# Altium PCB GameBoard_V1I1.PcbDoc (part 9 of 22)
Units mil, origin at the board's own origin, x right, y up, seen from the top; angles counter-clockwise.
Board outline 7165.35 x 2814.96 mil, 12 copper layers (L1, L2, L3, L4, L5 (PWR), L6 (PWR), L7 (PWR), L8 (PWR), L9, L10, L11, L12), stack 61.575 mil thick; 1551 components, 1072 nets, 5467 pads, 3785 vias.
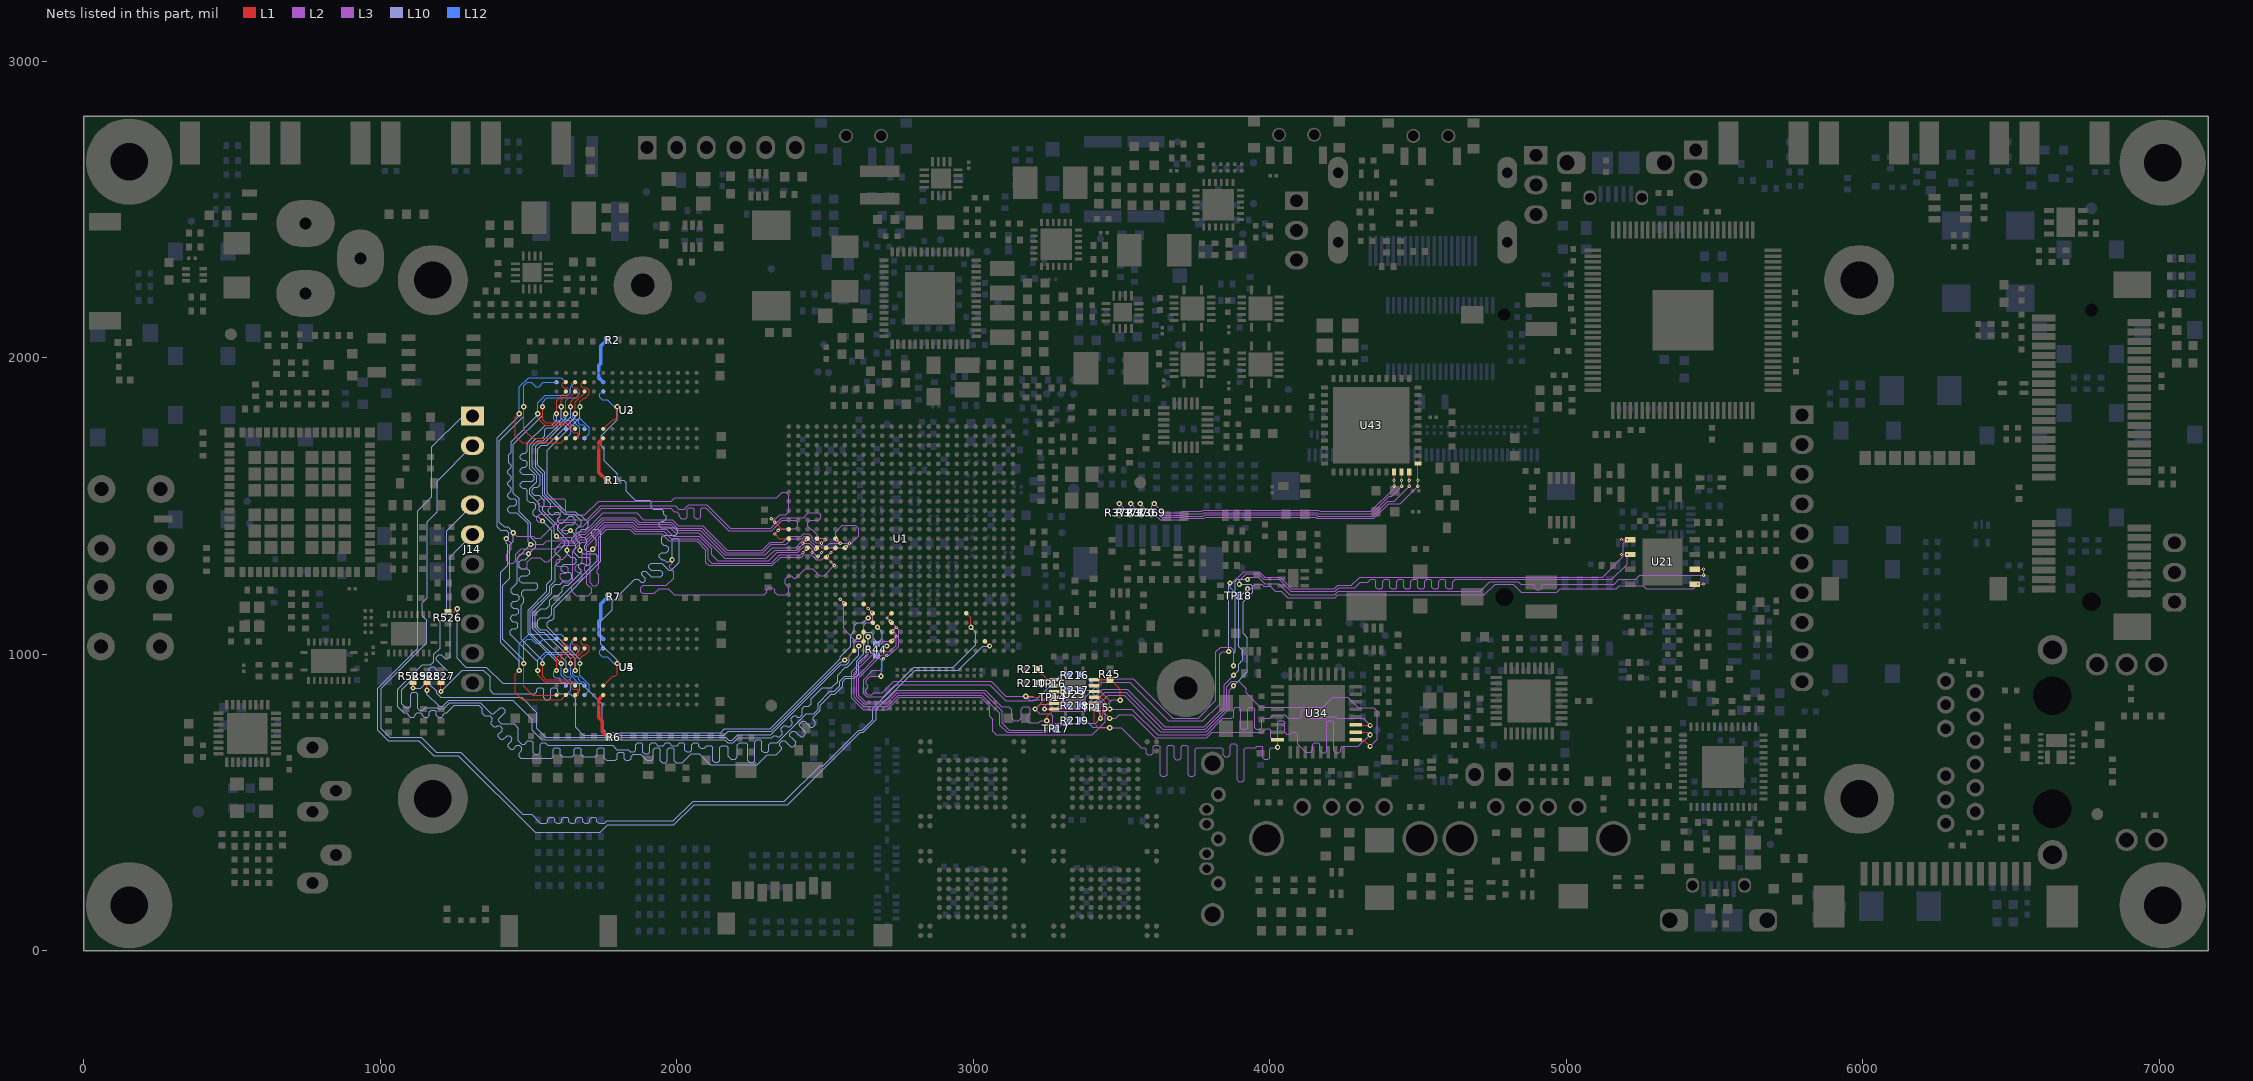
[diagram p19: the nets of this part, all layers, seen from the top]

## Via types
v1: diameter 17.72, hole 7.87, L1 to L12, 1935 vias
v2: diameter 17.72, hole 7.87, L1 to L12, tented both sides, 995 vias
v3: diameter 10.63, hole 3.94, L1 to L2, 334 vias
v4: diameter 11.81, hole 3.94, L2 to L3, 334 vias
v5: diameter 10.63, hole 3.94, L11 to L12, 94 vias
v6: diameter 11.81, hole 3.94, L10 to L11, 93 vias

## Nets (pads, with @x,y where several pads share a name; then routed paths per layer and width w, separated by ;. In a path a pad name is that pad's centre, name@x,y a point inside that pad or via, vN(x,y) a via of type N, cw(c..) or ccw(c..) an arc to the next point about the centre after c; other vN are vias at no path point) (continued)
CSPI1_CS0: J14.4 U1.U20 | length 3704.8
  L1 w3.15: U1.U20@2629.92,1169.29 v3(2645.67,1153.54)
  L3 w3.15: v2(2645.67,1059.06) 2630.91,1073.82 2630.91,1096.67 2639.55,1105.31 2652.56,1105.31 2661.42,1114.17 2661.42,1137.8 v4(2657.48,1141.73)
  L10 w3.15: J14.4@1311.02,1503.15 1224.73,1416.86 1224.73,1134.18 1201.77,1111.22 1201.77,1020.67 1181.1,1000 1181.1,975.18 1170.49,964.57 1141.73,964.57 1059.06,881.89 1059.06,822.83 1078.74,803.15 1088.58,803.15 1094.49,797.24 1094.49,793.31 1100.39,787.4 1112.2,787.4 1118.11,793.31 1118.11,797.24 1124.02,803.15 1135.83,803.15 1141.73,797.24 1141.73,793.31 1147.64,787.4 1159.45,787.4 1165.35,793.31 1165.35,805.12 1171.26,811.02 1183.07,811.02 1188.98,805.12 1188.98,793.31 1194.88,787.4 1206.69,787.4 1212.6,793.31 1212.6,797.24 1218.5,803.15 1224.41,803.15 1249.58,828.32 1332.05,828.32 1344.17,816.2 1344.17,800.82 1352.52,792.47 1360.88,792.47 1368.95,792.47 1377.44,783.98 1377.44,775.63 1374.13,772.32 1374.13,763.97 1382.48,755.62 1390.84,755.62 1394.14,758.92 1402.49,758.92 1410.85,750.57 1410.85,742.22 1398.34,729.71 1398.34,721.36 1406.69,713.01 1415.04,713.01 1427.55,725.52 1435.9,725.52 1444.25,717.16 1444.25,708.81 1431.74,696.3 1431.74,687.95 1440.1,679.6 1448.45,679.6 1460.96,692.11 1469.31,692.11 1477.66,683.76 1477.66,675.41 1468.56,666.31 1468.56,654.68 1473.64,649.6 1577.75,649.6 1582.68,654.53 1582.68,679.14 1588.58,685.04 1600.39,685.04 1606.3,679.14 1606.3,661.42 1613.19,654.53 1647.64,654.53 1653.54,660.43 1653.54,679.14 1659.45,685.04 1671.26,685.04 1677.17,679.14 1677.17,661.42 1684.05,654.53 1726.38,654.53 1732.28,660.43 1732.28,679.14 1738.19,685.04 1750,685.04 1755.91,679.14 1755.91,649.61 1763.78,641.73 1793.31,641.73 1799.21,647.64 1799.21,664.37 1804.13,669.29 1817.92,669.29 1822.83,664.37 1822.83,647.64 1828.74,641.73 1840.55,641.73 1846.46,647.64 1846.46,655.51 1853.35,662.4 1878.16,662.4 1898.83,641.73 1914.84,641.73 1920.74,647.64 1920.74,678.15 1926.65,684.06 1938.46,684.06 1944.36,678.15 1944.36,639.76 1950.27,633.86 1962.08,633.86 1967.99,639.76 1967.99,678.15 1973.89,684.06 1985.7,684.06 1991.61,678.15 1991.61,639.76 1997.51,633.86 2019.17,633.86 2049.68,664.37 2075.79,664.37 2113.19,626.97 2271.96,626.97 2306,661 2334.75,661 2351.82,678.07 2351.82,686.42 2347.76,690.48 2347.76,698.83 2356.11,707.19 2364.47,707.19 2372.7,698.95 2384.09,687.56 2392.44,687.56 2400.79,695.91 2400.79,704.26 2389.4,715.66 2381.17,723.89 2381.17,732.24 2389.52,740.59 2397.87,740.59 2406.11,732.36 2417.5,720.97 2425.85,720.97 2434.2,729.32 2434.2,737.67 2422.81,749.06 2414.58,757.3 2414.58,765.65 2422.93,774 2431.28,774 2439.51,765.77 2450.9,754.37 2459.26,754.37 2467.61,762.72 2467.61,771.08 2460.39,778.29 2460.39,786.64 2484.25,810.51 2484.25,827.97 2521.44,865.16 2532.9,865.16 2560.04,892.29 2560.04,907.69 2570.66,918.31 2598.73,918.31 2614.17,933.75 2614.17,972.44 2645.67,1003.94 v2(2645.67,1059.06)
  L2 w3.15: v3(2645.67,1153.54) v4(2657.48,1141.73)
CSPI1_CS1: J14.5 U1.T22 | length 3722.1
  L1 w3.15: U1.T22@2661.42,1106.3 v2(2677.17,1090.55)
  L10 w3.15: J14.5@1311.02,1403.15 1236.22,1328.35 1236.22,992.13 1227.99,983.9 1219.64,983.9 1205.68,997.86 1197.33,997.86 1188.97,989.51 1188.97,981.16 1234.77,935.36 1234.77,927.01 1226.42,918.66 1218.07,918.66 1190.41,946.31 1179.95,956.77 1171.6,956.77 1163.25,948.42 1163.25,940.07 1169.53,933.79 1169.53,925.44 1165.35,921.26 1113.65,921.26 1071.85,879.46 1071.85,832.47 1085.42,818.9 1096.46,818.9 1102.36,824.8 1102.36,865.16 1108.27,871.06 1120.08,871.06 1125.98,865.16 1125.98,816.93 1131.89,811.02 1143.7,811.02 1151.58,818.9 1192.39,818.9 1195.35,815.94 1214.1,815.94 1234.35,836.19 1337.03,836.19 1374.62,798.61 1382.97,798.61 1404.38,820.03 1412.73,820.03 1421.09,811.68 1421.09,803.32 1399.67,781.91 1399.67,773.56 1408.02,765.21 1451.33,765.21 1465.55,750.98 1465.55,707.68 1476.38,696.85 1487.51,696.85 1498.03,707.37 1509.84,707.37 1515.75,701.47 1515.75,668.31 1521.65,662.4 1533.46,662.4 1539.37,668.31 1539.37,694.88 1545.28,700.79 1557.09,700.79 1564.96,692.91 1783.46,692.91 1798.23,678.15 1835.63,678.15 1843.5,670.28 1857.29,670.28 1862.21,675.19 1862.21,694.88 1868.11,700.79 1879.92,700.79 1885.83,694.88 1885.83,669.29 1891.73,663.39 1903.54,663.39 1909.45,669.29 1909.45,694.88 1915.35,700.79 1927.17,700.79 1936.03,691.93 1953.74,691.93 1962.6,700.79 1974.41,700.79 1983.27,691.93 2000.98,691.93 2009.84,700.79 2021.65,700.79 2027.56,694.88 2027.56,676.8 2033.46,670.9 2045.07,670.9 2046.42,672.24 2046.62,672.24 2051.18,676.8 2051.18,694.88 2057.09,700.79 2068.9,700.79 2074.8,694.88 2074.8,688.73 2080.71,682.82 2092.52,682.82 2101.63,691.93 2116.14,691.93 2122.05,686.02 2122.05,640.75 2127.95,634.84 2139.76,634.84 2145.67,640.75 2145.67,686.02 2151.57,691.93 2166.34,691.93 2173.23,685.04 2173.23,656.29 2183.85,645.67 2196.85,645.67 2204.72,653.54 2204.72,693.9 2211.61,700.79 2234.25,700.79 2240.16,694.88 2240.16,640.75 2246.06,634.84 2257.87,634.84 2263.78,640.75 2263.78,704.96 2269.69,710.87 2281.5,710.87 2287.4,704.96 2287.4,674.73 2293.31,668.83 2305.12,668.83 2311.02,674.73 2311.02,694.88 2316.93,700.79 2338.58,700.79 2437.01,799.21 2461.82,799.21 2476.38,813.77 2476.38,834.65 2515.89,874.15 2530.76,874.15 2550.2,893.59 2550.2,908.98 2567.39,926.18 2595.47,926.18 2606.3,937.01 2606.3,976.53 2622.05,992.28 2622.05,993.48 2629.92,1001.35 2629.92,1066.93 2637.8,1074.8 2653.54,1074.8 2662.4,1065.95 2662.4,1052.94 2672.03,1043.31 2682.3,1043.31 2692.91,1053.93 2692.91,1074.8 v2(2677.17,1090.55) ; J14.5@1318.9,1395.28 J14.5@1330.71,1407.09
CSPI1_MISO: J14.2 U1.F21 | length 3727.2
  L1 w3.15: U1.F21@2976.38,1137.8 2992.13,1122.05 v2(2992.13,1090.55)
  L10 w3.15: J14.2@1311.02,1703.15 1191.93,1584.06 1191.93,1480.59 1158.46,1447.13 1158.46,1189.96 1141.73,1173.23 1141.73,1129.92 1157.48,1114.17 1157.48,1039.37 1003.94,885.83 1003.94,748.03 1031.5,720.47 1137.8,720.47 1188.98,669.29 1271.65,669.29 1481.3,459.65 1510.05,459.65 1540.15,429.55 1559.05,429.55 1564.96,435.45 1564.96,443.64 1570.87,449.55 1582.68,449.55 1588.58,443.64 1588.58,435.45 1594.49,429.55 1606.3,429.55 1612.2,435.45 1612.2,443.64 1618.11,449.55 1629.92,449.55 1635.83,443.64 1635.83,435.45 1641.73,429.55 1653.54,429.55 1659.45,435.45 1659.45,443.64 1665.35,449.55 1677.16,449.55 1683.07,443.64 1683.07,435.45 1688.98,429.55 1700.79,429.55 1706.69,435.45 1706.69,443.64 1712.6,449.55 1724.41,449.55 1730.31,443.64 1730.31,435.45 1736.22,429.55 1756.32,429.55 1764.19,437.42 1988.6,437.42 2055.12,503.94 2363.19,503.94 2483.27,624.02 2494.09,624.02 2614.17,744.09 2625.98,744.09 2661.42,779.53 2661.42,818.22 2799.89,956.69 2933.07,956.69 3006.81,1030.43 3006.81,1030.82 3007.87,1031.89 3007.87,1074.8 v2(2992.13,1090.55)
CSPI1_MOSI: J14.1 U1.D24 | length 3719.4
  L1 w3.15: U1.D24@3039.37,1043.31 v2(3055.12,1027.56)
  L10 w3.15: J14.1@1311.02,1803.15 1278.54,1803.15 1174.21,1698.82 1174.21,1531.29 1125.98,1483.06 1125.98,1019.68 992.13,885.83 992.13,744.09 1027.56,708.66 1129.92,708.66 1181.1,657.48 1263.78,657.48 1522.64,398.62 1741.14,398.62 1766.73,424.21 1990.47,424.21 2058.38,492.13 2374.79,492.13 2618.88,736.22 2629.25,736.22 2673.23,780.2 2673.23,814.96 2804.53,946.26 2950.2,946.26 3031.5,1027.56 v2(3055.12,1027.56)
CSPI2_RXD: R529.1 U1.U23 | length 1844.8
  L1 w3.15: v1(1110.24,885.83) R529.1@1110.24,905.51 R529.1@1110.24,909.45 ; v2(2614.17,1059.06) U1.U23@2629.92,1074.8
  L10 w3.15: v1(1110.24,885.83) 1136.6,885.83 1151.37,900.59 1163.6,900.59 1189.96,874.23 1189.96,867.9 1203.53,854.33 1476.38,854.33 1527.56,803.15 1527.56,750.77 1558.85,719.49 2165.14,719.49 2174.99,709.65 2187.22,709.65 2205.92,728.35 2317.85,728.35 2553.09,963.58 2571.08,963.58 2581.69,974.2 2581.69,995.08 2599.41,1012.8 2599.41,1044.29 v2(2614.17,1059.06)
CSPI2_TXC: R526.1 U1.T21 | length 1961.5
  L1 w3.15: R526.1@1228.35,1141.73 1248.03,1141.73 v1(1259.84,1153.54) ; v2(2645.67,1122.05) U1.T21@2661.42,1137.8
  L10 w3.15: v1(1259.84,1153.54) 1259.84,985.45 1288.6,956.69 1357.59,956.69 1412.71,901.57 1677.17,901.57 1748.03,830.71 1748.03,750 1762.8,735.24 2147.85,735.24 2160.64,748.03 2315.26,748.03 2551.18,983.95 2551.18,992.13 2586.61,1027.56 2586.61,1063.98 2599.41,1076.77 2599.41,1096.67 2608.06,1105.31 2628.94,1105.31 v2(2645.67,1122.05)
CSPI2_TXD: R528.1 U1.U24 | length 1860.6
  L1 w3.15: v1(1157.48,877.95) R528.1@1157.48,905.51 R528.1@1157.48,909.45 ; v2(2614.17,1027.56) U1.U24@2629.92,1043.31
  L10 w3.15: v1(1157.48,877.95) 1157.48,864.95 1198.61,823.82 1210.84,823.82 1231.09,844.07 1446.5,844.07 1511.81,778.75 1511.81,744.09 1544.29,711.61 2161.88,711.61 2171.73,701.77 2190.48,701.77 2207.45,718.74 2321.1,718.74 2327.24,724.88 2335.59,724.88 2339.39,721.08 2347.74,721.08 2356.1,729.43 2356.1,737.79 2352.3,741.58 2352.3,749.94 2360.65,758.29 2369,758.29 2372.8,754.49 2381.15,754.49 2389.5,762.84 2389.5,771.19 2385.7,774.99 2385.7,783.34 2394.06,791.69 2402.41,791.69 2406.21,787.9 2414.56,787.9 2422.91,796.25 2422.91,816.61 2430.5,824.2 2445.06,824.2 2453.41,832.56 2453.41,840.91 2453.41,849.08 2491.14,886.81 2521.86,886.81 2542.32,907.27 2542.32,929.34 2568.69,955.71 2574.34,955.71 2614.17,995.55 v2(2614.17,1027.56)
CSPI2_TXFS: R527.1 U1.V25 | length 1842.1
  L1 w3.15: v1(1204.72,874.02) R527.1@1204.72,905.51 R527.1@1204.72,909.45 ; v2(2566.93,980.31) U1.V25@2598.43,1011.81
  L10 w3.15: v1(1204.72,874.02) 1276.57,945.87 1347.44,945.87 1370.08,923.23 1370.08,877.95 1380.91,867.13 1515.75,867.13 1521.65,867.13 1527.56,873.03 1527.56,881.22 1533.46,887.13 1545.28,887.13 1551.18,881.22 1551.18,867.13 1551.18,853.03 1557.09,847.13 1568.9,847.13 1574.8,853.03 1574.8,867.13 1574.8,881.22 1580.71,887.13 1592.52,887.13 1598.42,881.22 1598.42,873.03 1604.33,867.13 1614.17,867.13 1640.75,867.13 1658.46,849.41 1658.46,753.73 1684.83,727.36 2160.43,727.36 2173.23,740.16 2318.52,740.16 2549.82,971.46 2553.46,971.46 2562.32,980.31 v2(2566.93,980.31)
CSPI3_1DIR: R211.1 U23.2 | length 72.5
  L1 w3.15: R211.1@3216.54,948.82 3216.54,947.62 3250.77,913.39 U23.2@3273.62,913.39
CSPI3_2DIR: R210.1 U23.3 | length 60.3
  L1 w3.15: R210.1@3216.54,901.57 3224.41,893.7 U23.3@3273.62,893.7
CSPI3_CLK: R44.2 R216.2 TP16.1 U21.6 U23.4 | length 4103.1
  L1 w3.15: v1(3177.17,858.27) 3179.98,855.45 3206.35,855.45 3206.48,855.31 3221.46,855.31 3240.16,874.02 U23.4@3273.62,874.02 ; U21.6@5433.07,1286.22 v3(5463.58,1286.22)
  L3 w3.15: v2(2688.98,925.2) 2652.35,925.2 2638.78,911.63 2638.78,899.4 2643.7,894.48 2643.7,886.19 2637.8,880.29 2637.8,870.5 2644.71,863.58 2658.46,863.58 2664.96,870.08 2693.87,870.08 2732.25,908.46 3060.04,908.46 3110.24,858.27 v1(3177.17,858.27) 3200.79,858.27 3204.72,854.33 3220.47,854.33 3236.22,870.08 3362.2,870.08 3409.45,917.32 3539.37,917.32 3672.24,784.45 3758.86,784.45 3818.62,844.21 3818.62,1007.6 3834.65,1023.62 3856.09,1023.62 3868.32,1023.62 3877.95,1013.99 v1(3877.95,960.63) ; v1(3925.2,1251.97) 3925.2,1259.84 3960.75,1259.84 3983.38,1237.2 4030.51,1237.2 4066.93,1200.79 4219.95,1200.79 4231.76,1212.6 4710.63,1212.6 4742.13,1244.09 4838.58,1244.09 4846.46,1236.22 4887.8,1236.22 4893.7,1230.31 4893.7,1222.44 4899.61,1216.53 4911.42,1216.53 4917.32,1222.44 4917.32,1230.31 4923.23,1236.22 5161.42,1236.22 5177.17,1251.97 5234.19,1251.97 5248.76,1266.54 v4(5463.58,1266.54)
  L10 w3.15: v1(3877.95,960.63) 3877.95,1003.94 3882.87,1008.86 3882.87,1245.08 3889.76,1251.97 v1(3925.2,1251.97)
  L2 w3.15: v4(5463.58,1266.54) v3(5463.58,1286.22)
  L12 w3.15: R44.2@2673.23,996.06 2692.91,976.38 2692.91,944.88 2688.98,940.94 v2(2688.98,925.2) ; v1(3177.17,858.27) 3190.94,844.49 3210.63,844.49 TP16.1@3265.75,899.61 3295.28,929.13 R216.2@3322.83,929.13
CSPI3_CLK_R: R44.1 U1.P24 | length 61
  L1 w3.15: v2(2708.66,1027.56) U1.P24@2724.41,1043.31
  L12 w3.15: R44.1@2673.23,1035.43 2700.79,1035.43 v2(2708.66,1027.56)
CSPI3_CS0: R219.2 TP17.1 U1.P21 U23.7 | length 1338.9
  L1 w3.15: v3(2708.66,1122.05) U1.P21@2724.41,1137.8 ; v1(3248.03,775.59) 3248.03,789.37 U23.7@3273.62,814.96
  L3 w3.15: v4(2720.47,1110.24) 2748.03,1082.68 2748.03,1027.56 2718.84,998.37 2692.12,998.37 2614.17,920.43 2614.17,860.72 2634.93,839.96 2703.24,839.96 2741.23,877.95 3040.35,877.95 3096.46,821.85 3120.29,821.85 3129.92,812.22 3129.92,783.46 3137.8,775.59 3153.54,775.59 3161.42,783.46 3161.42,813.98 3169.29,821.85 3185.43,821.85 3192.91,814.36 3192.91,801.96 3182.3,791.34 3182.3,775.59 3189.19,768.7 3220.47,768.7 3227.36,775.59 v1(3248.03,775.59)
  L2 w3.15: v3(2708.66,1122.05) v4(2720.47,1110.24)
  L12 w3.15: v1(3248.03,775.59) 3275.59,748.03 TP17.1@3277.56,748.03 3283.46,748.03 3311.02,775.59 3314.96,775.59 3318.9,779.53 R219.2@3322.83,775.59
CSPI3_CS2: TP18.1 U1.R25 U21.1 | length 3568.8
  L1 w3.15: U1.R25@2692.91,1011.81 v3(2708.66,996.06) ; v3(5186.02,1386.22) U21.1@5216.54,1386.22
  L3 w3.15: v4(2696.85,984.25) 2691.93,979.33 2691.93,951.77 2686.02,945.87 2661.88,945.87 2629.92,913.9 2629.92,867.24 2641.45,855.71 2696.71,855.71 2737.66,896.65 3056.1,896.65 3110.24,842.52 3200.79,842.52 3204.72,846.46 3320.87,846.46 3330.71,836.61 3359.25,836.61 3428.15,905.51 3527.56,905.51 3657.48,775.59 3774.61,775.59 3830.71,831.69 3830.71,1000 3839.57,1008.86 v1(3862.2,1008.86) ; v1(3866.14,1240.16) 3873.5,1240.16 3911.88,1278.54 3964.32,1278.54 3983.02,1259.84 4034.76,1259.84 4063.98,1230.62 4063.98,1230.11 4072.62,1221.46 4218.35,1221.46 4229.18,1232.28 4275.59,1232.28 4303.15,1259.84 5123.24,1259.84 5192.91,1329.51 5192.91,1373.42 v4(5205.71,1386.22)
  L10 w3.15: v1(3862.2,1008.86) 3862.2,1236.22 v1(3866.14,1240.16)
  L2 w3.15: v4(2696.85,984.25) v3(2708.66,996.06) ; v3(5186.02,1386.22) v4(5205.71,1386.22)
  L12 w3.15: v1(3866.14,1240.16) 3866.14,1224.41 TP18.1@3893.7,1196.85
CSPI3_MCU_CLK: R216.1 U23.13 U34.19 | length 1576
  L1 w3.15: U23.13@3407.48,874.02 3429.13,874.02 3460.63,842.52 v1(3460.63,814.96) ; U34.19@4290.35,762.8 4293.31,759.84 v1(4338.58,759.84)
  L3 w3.15: v1(3460.63,814.96) 3535.43,814.96 3622.05,728.35 3786.78,728.35 3841.9,783.46 3858.27,783.46 3872.05,783.46 3877.95,789.37 3877.95,815.06 3883.86,820.97 3895.67,820.97 3901.57,815.06 3901.57,783.46 3901.57,751.87 3907.48,745.96 3919.29,745.96 3925.2,751.87 3925.2,783.46 3925.2,815.06 3931.1,820.97 3942.91,820.97 3948.82,815.06 3948.82,783.46 3948.82,751.87 3954.72,745.96 3966.54,745.96 3972.44,751.87 3972.44,777.56 3978.35,783.46 3984.25,783.46 4000,783.46 4011.81,795.28 4051.18,795.28 4062.99,783.46 4100.39,783.46 4106.3,789.37 4106.3,807.16 4112.2,813.06 4124.02,813.06 4129.92,807.16 4129.92,791.34 4137.8,783.46 4185.04,783.46 4190.94,783.46 4196.85,789.37 4220.47,789.37 4226.38,783.46 4314.96,783.46 v1(4338.58,759.84)
  L12 w3.15: R216.1@3362.2,929.13 3374.39,929.13 3460.63,842.89 v1(3460.63,814.96)
CSPI3_MCU_CS0: R219.1 U23.10 U34.8 | length 1714.6
  L1 w3.15: U23.10@3407.48,814.96 3407.48,766.75 3422.26,751.97 v1(3460.63,751.97) ; v1(4026.57,686.02) U34.8@4026.57,711.61
  L3 w3.15: v1(3460.63,751.97) 3500,751.97 3557.09,694.88 3558.44,693.53 3566.79,685.18 3576.77,685.18 3582.68,679.27 3582.68,666.33 3588.58,660.43 3600.39,660.43 3606.3,666.33 3606.3,685.18 3606.3,687.01 3612.2,692.92 3624.02,692.92 3629.92,687.01 3629.92,685.18 3629.92,593.58 3635.83,587.67 3647.64,587.67 3653.54,593.58 3653.54,685.18 3653.54,687.01 3659.45,692.92 3671.26,692.92 3677.17,687.01 3677.17,685.18 3677.17,650.59 3683.07,644.68 3694.88,644.68 3700.79,650.59 3700.79,685.18 3700.79,687.01 3706.69,692.92 3718.5,692.92 3724.41,687.01 3724.41,685.18 3724.41,593.58 3730.31,587.67 3742.13,587.67 3748.03,593.58 3748.03,679.27 3753.94,685.18 3759.84,685.18 3834.65,685.18 3836.61,685.18 3842.52,679.27 3842.52,660.07 3848.43,654.17 3860.24,654.17 3866.14,660.07 3866.14,685.18 3866.14,691.75 3872.05,697.66 3883.86,697.66 3889.76,691.75 3889.76,685.18 3889.76,575.78 3895.67,569.88 3907.48,569.88 3913.39,575.78 3913.39,679.27 3919.29,685.18 3925.2,685.18 3937.01,685.18 3952.76,685.18 3956.56,688.98 3972.58,688.98 3976.38,685.18 3976.38,650.77 3982.28,644.86 3994.09,644.86 4000,650.77 4000,679.27 4005.91,685.18 4011.81,685.18 4025.73,685.18 v1(4026.57,686.02)
  L12 w3.15: R219.1@3362.2,775.59 3381.89,775.59 3403.27,754.21 3458.39,754.21 3460.63,756.46 v1(3460.63,751.97)
CSPI3_MCU_ENn: R45.1 U1.W20 U23.14 U23.15 | length 1724.9
  L1 w3.15: v3(2551.18,1185.04) U1.W20@2566.93,1169.29 ; U23.14@3407.48,893.7 3429.13,893.7 3433.07,897.64 3433.07,913.39 ; U23.15@3407.48,913.39 3433.07,913.39 ; v1(3496.06,844.49) 3496.06,881.89 3464.57,913.39 R45.1@3460.63,913.39 3433.07,913.39
  L3 w3.15: v4(2562.99,1173.23) 2562.99,1085.63 2604.33,1044.29 2622.02,1044.29 2645.67,1020.64 2645.67,997.05 2590.55,941.93 2590.55,850.93 2628.49,812.99 2709.67,812.99 2751.01,854.33 3025.59,854.33 3055.12,824.8 3055.12,791.34 3065.95,780.51 3065.95,739.95 3077.55,728.35 3400.59,728.35 3444.88,772.64 3444.88,822.83 3468.5,846.46 3496.06,846.46 v1(3496.06,844.49)
  L2 w3.15: v3(2551.18,1185.04) v4(2562.99,1173.23)
CSPI3_MCU_MISO: R218.1 U23.6 U34.17 | length 1710.4
  L1 w3.15: v1(3240.16,814.96) 3240.16,822.83 3251.97,834.65 U23.6@3273.62,834.65 ; U34.17@4290.35,711.61 4315.95,711.61 v1(4338.58,688.98)
  L3 w3.15: v1(3240.16,814.96) 3258.86,814.96 3266.59,807.22 3379.07,807.22 3443.9,872.05 3513.78,872.05 3638.78,747.05 3781.8,747.05 3854.33,819.57 3854.33,890.96 3871.84,908.46 3895.88,908.46 3920.28,884.07 3920.28,871.84 3920.14,871.7 3920.14,869.3 3968.5,820.94 4179.2,820.94 4212.6,854.33 4263.78,854.33 4299.21,818.9 4350.39,818.9 4362.2,807.09 4362.2,712.6 v1(4338.58,688.98)
  L12 w3.15: v1(3240.16,814.96) 3278.66,814.96 3290.47,826.77 R218.1@3322.83,826.77
CSPI3_MCU_MOSI: R217.1 U23.12 U34.18 | length 1692.3
  L1 w3.15: U23.12@3407.48,854.33 3429.13,854.33 3444.88,838.58 3444.88,799.21 v1(3460.63,783.46) ; U34.18@4290.35,737.2 4329.72,737.2 v1(4338.58,728.35)
  L3 w3.15: v1(3460.63,783.46) 3480.25,783.46 3492.06,795.28 3535.63,795.28 3613.38,717.52 3787.09,717.52 3805.79,736.22 3974.41,736.22 3980.32,742.13 3986.22,748.03 3998.03,748.03 4003.94,742.13 4003.94,718.5 4009.84,712.6 4021.65,712.6 4027.56,718.5 4027.56,769.69 4033.46,775.59 4045.28,775.59 4051.18,769.69 4051.18,735.97 4057.09,730.06 4068.9,730.06 4075.05,736.22 4086.61,736.22 4094.49,728.35 4094.49,696.85 4122.05,669.29 4137.8,669.29 4145.67,677.17 4145.67,695.87 4151.57,701.77 4163.39,701.77 4169.29,695.87 4169.29,674.21 4175.2,668.31 4187.01,668.31 4192.91,674.21 4192.91,769.69 4198.82,775.59 4210.63,775.59 4216.54,769.69 4216.54,674.21 4222.44,668.31 4234.25,668.31 4240.16,674.21 4240.16,683.07 4246.06,688.98 4299.21,688.98 v1(4338.58,728.35)
  L12 w3.15: R217.1@3362.2,877.95 3393.33,877.95 3440.94,830.33 3440.94,803.15 v1(3460.63,783.46)
CSPI3_MISO: R218.2 TP15.1 U1.P23 U21.2 U23.11 | length 4287.3
  L1 w3.15: U1.P23@2724.41,1074.8 v3(2740.16,1059.06) ; U23.11@3407.48,834.65 3429.13,834.65 3437.01,826.77 3437.01,793.2 3429.13,785.32 v1(3429.13,783.46) ; v3(5186.02,1336.22) U21.2@5216.54,1336.22
  L3 w3.15: v4(2728.35,1047.24) 2717.73,1047.24 2714.78,1044.29 2689.96,1044.29 2661.42,1015.75 2661.42,1000 2598.43,937.01 2598.43,854.19 2628.41,824.21 2709.76,824.21 2747.75,862.2 3028.85,862.2 3089.57,801.49 3089.57,760.83 3114.17,736.22 3246.85,736.22 3278.35,767.72 3413.39,767.72 v1(3429.13,783.46) 3429.13,835.63 3454.72,861.22 3508.86,861.22 3630.91,739.17 3786.47,739.17 3863.19,815.89 3863.19,878.94 v1(3877.95,893.7) ; v1(3897.64,1236.22) 3897.64,1248.03 3920.28,1270.67 3961.05,1270.67 3979.76,1251.97 4031.5,1251.97 4056.1,1227.36 4056.1,1226.84 4070.35,1212.6 4220.63,1212.6 4232.44,1224.41 4286.57,1224.41 4304.91,1242.74 4331.32,1242.74 4340.55,1251.97 4352.36,1251.97 4358.27,1246.06 4358.27,1226.38 4364.17,1220.47 4375.98,1220.47 4381.89,1226.38 4381.89,1246.06 4387.8,1251.97 4399.61,1251.97 4405.51,1246.06 4405.51,1226.38 4411.42,1220.47 4423.23,1220.47 4429.13,1226.38 4429.13,1246.06 4435.04,1251.97 4446.85,1251.97 4452.76,1246.06 4452.76,1226.38 4458.66,1220.47 4470.47,1220.47 4476.38,1226.38 4476.38,1246.06 4482.28,1251.97 4494.09,1251.97 4500,1246.06 4500,1226.38 4505.91,1220.47 4517.72,1220.47 4523.62,1226.38 4523.62,1246.06 4529.53,1251.97 4541.34,1251.97 4547.24,1246.06 4547.24,1226.38 4553.15,1220.47 4564.96,1220.47 4570.87,1226.38 4570.87,1246.06 4576.77,1251.97 4588.58,1251.97 4594.49,1246.06 4594.49,1226.38 4600.39,1220.47 4612.2,1220.47 4618.11,1226.38 4618.11,1244.09 4625.98,1251.97 5153.54,1251.97 5205.71,1304.13 v4(5205.71,1336.22)